# KiCad board EC_Rev2.kicad_pcb (continued)
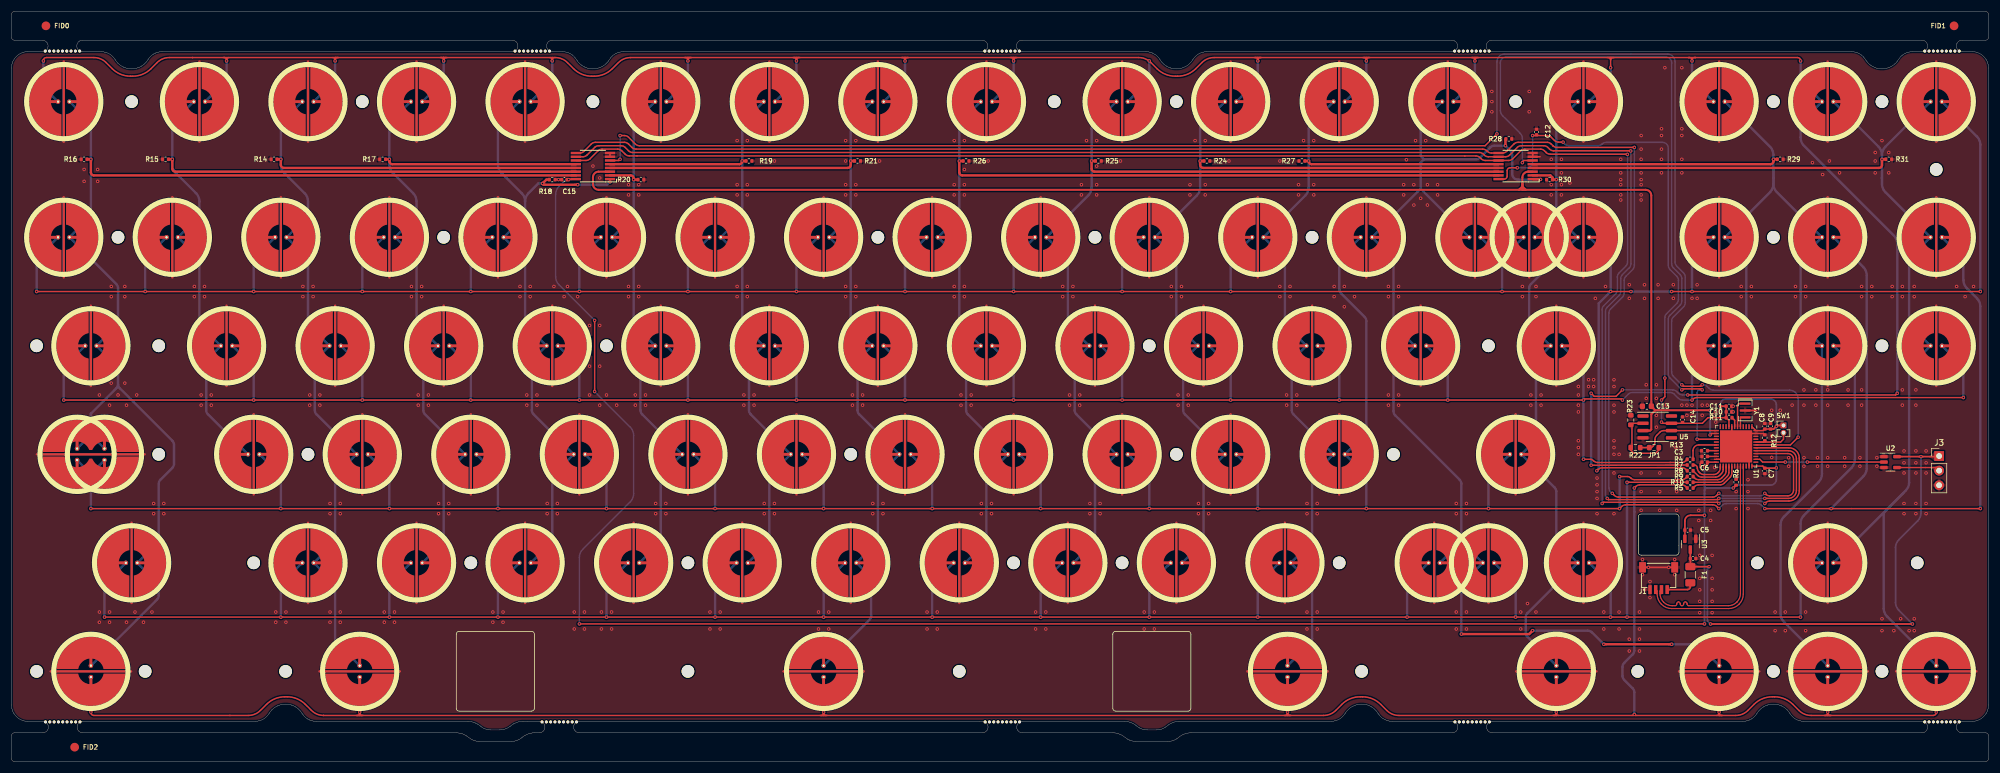
[diagram p0: board, top side]
## Routing (per net, layer and track width the routed paths; a pad name or vN(x,y) marks a point on that pad's centre or on a via; arc(x,y) is an arc through that point) (continued)
COL13: length 128.3
  Top w0.419: v1(268.97,101.34) R30.1 268.3,101.72 267.94,102.08 U6.2
  Bottom w0.419: 268.98,95.44 268.98,110.79 arc(269.05,111.17) 269.27,111.49 SW_EC14.1 ; 268.98,95.44 arc(268.9,95.06) 268.68,94.73 SW_EC86.1 ; 268.98,95.44 arc(269.05,95.06) 269.27,94.73 SW_EC87.2 264.54,83.14 arc(264.33,82.82) 264.25,82.44 264.25,76.54 arc(264.33,76.16) 264.54,75.83 SW_EC48.1 265.72,70.15 arc(265.51,69.82) 265.43,69.44 265.43,56.46 arc(265.36,56.08) 265.14,55.75 SW_EC64.1 268.68,47.71 arc(268.9,47.38) 268.98,47 268.98,38.74 arc(269.05,38.36) 269.27,38.03 SW_EC89.1 263.95,25.85 arc(263.74,25.53) 263.66,25.15 263.66,22.43 arc(263.74,22.05) 263.95,21.72 SW_EC82.1
COL14: length 194.5
  Top w0.419: R29.1 v1(306.78,104.88) 306.78,104.53 arc(306.63,104.17) 306.28,104.03 U6.5
  Bottom w0.419: 306.78,103.2 306.78,101.64 306.78,100.58 ; 306.78,103.2 306.78,100.58 ; 306.78,103.2 306.78,105.65 arc(306.62,106.41) 306.19,107.06 SW_EC15.1 ; SW_EC84.1 308.6,24.33 arc(308.17,24.97) 308.01,25.74 308.01,41.21 arc(308.17,41.98) 308.6,42.63 314.64,48.67 arc(315.07,49.31) 315.23,50.08 SW_EC50.1 312.09,75.54 arc(311.65,76.19) 311.5,76.95 311.5,86.75 arc(311.65,87.51) 312.09,88.16 SW_EC33.1 307.36,99.16 arc(306.93,99.81) 306.78,100.58 ; 306.78,100.58 arc(306.62,99.81) 306.19,99.16 SW_EC32.1 301.46,88.16 arc(301.9,87.51) 302.05,86.75 302.05,76.95 arc(301.9,76.19) 301.46,75.54 SW_EC49.1
COL15: length 207.5
  Top w0.419: U6.4 325.18,103.38 arc(325.53,103.53) 325.68,103.88 v1(325.68,104.88) R31.1
  Bottom w0.419: SW_EC16.1 325.09,107.06 arc(325.52,106.41) 325.68,105.65 ; 325.68,105.65 325.68,101.64 325.68,100.58 arc(325.83,99.81) 326.26,99.16 SW_EC34.1 330.99,88.16 arc(330.55,87.51) 330.4,86.75 330.4,76.95 arc(330.55,76.19) 330.99,75.54 SW_EC51.1 330.99,69.26 arc(330.55,68.61) 330.4,67.85 330.4,48.6 arc(330.25,47.84) 329.81,47.19 329.38,46.75 ; 325.68,105.65 arc(325.83,106.41) 326.26,107.06 SW_EC17.1 ; SW_EC85.1 326.56,25.27 arc(326.12,25.92) 325.97,26.68 325.97,42.93 arc(326.05,43.31) 326.26,43.64 329.38,46.75 ; 329.38,46.75 SW_EC77.1
D+: length 41
  Top w0.2: J1.3 286.53,29.7 286.53,29.17 arc(286.72,28.21) 287.26,27.4 287.3,27.37 arc(288.11,26.82) 289.06,26.63 298.99,26.63 arc(299.95,26.82) 300.76,27.37 300.8,27.4 arc(301.34,28.21) 301.53,29.17 U1.33
D-: length 41
  Top w0.2: J1.2 287.03,29.69 287.03,29.25 arc(287.19,28.45) 287.64,27.77 287.66,27.75 arc(288.34,27.29) 289.15,27.13 289.65,27.13 arc(289.86,27.22) 289.95,27.43 289.95,27.5 arc(290.04,27.71) 290.25,27.8 arc(290.46,27.71) 290.55,27.5 290.55,27.43 arc(290.64,27.22) 290.85,27.13 arc(291.06,27.22) 291.15,27.43 291.15,27.5 arc(291.24,27.71) 291.45,27.8 arc(291.66,27.71) 291.75,27.5 291.75,27.43 arc(291.84,27.22) 292.05,27.13 298.91,27.13 arc(299.71,27.29) 300.39,27.75 300.41,27.77 arc(300.87,28.45) 301.03,29.25 U1.32
LED_3V3: length 22.5
  Top w0.25: U2.2 v1(312.68,52.15) ; U1.38 304.41,52.63 304.9,52.15 v1(308.84,52.15)
  Bottom w0.25: v1(312.68,52.15) v1(308.84,52.15)
LED_5V: length 7.6
  Top w0.25: J3.2 335.09,51.2 U2.4
NRST: length 1.8
  Top w0.25: R11.2 300.03,59.42 U1.7
ROW0: length 630
  Top w0.25: v1(311.5,122.01) 311.5,122.1 arc(311.35,122.46) 311,122.6 293.19,122.6 ; 36.86,122.6 56.94,122.6 ; 154.98,122.6 156.17,122.6 ; 174.47,122.6 196.27,122.6 arc(197.42,122.37) 198.39,121.72 199.44,120.67 arc(200.9,119.7) 202.62,119.35 203.03,119.35 arc(204.75,119.7) 206.21,120.67 207.26,121.72 arc(208.24,122.37) 209.38,122.6 217,122.6 ; 174.47,122.6 v1(174.47,122.01) 174.48,122.2 ; 174.47,122.6 155.57,122.6 ; 155.57,122.6 136.67,122.6 ; 155.57,122.6 v1(155.57,122.01) 155.58,122.2 ; 136.67,122.6 v1(136.67,122.01) 136.68,122.2 ; 136.67,122.6 117.77,122.6 ; 217,122.2 v1(217,122.01) 217,122.6 ; 217,122.2 arc(216.88,122.49) 216.6,122.6 ; 217,122.2 arc(217.12,122.49) 217.4,122.6 ; 293.19,122.6 293,122.6 arc(292.72,122.49) 292.6,122.2 ; 293.19,122.6 292.01,122.6 ; 75.25,122.6 56.35,122.6 v1(56.35,122.01) 56.35,122.2 ; 75.25,122.6 75.25,122.6 v1(75.25,122.01) ; 75.25,122.6 94.15,122.6 ; v1(94.15,122.01) 94.15,122.6 ; 94.15,122.6 94.68,122.6 arc(95.83,122.37) 96.8,121.72 97.85,120.67 arc(99.31,119.7) 101.03,119.35 101.44,119.35 arc(103.16,119.7) 104.62,120.67 105.67,121.72 arc(106.65,122.37) 107.8,122.6 117.77,122.6 ; 117.18,122.6 118.37,122.6 ; v1(278.43,120.83) 278.43,122.6 ; 278.43,122.6 292.01,122.6 ; 278.43,122.6 254.8,122.6 ; 277.83,122.6 279.02,122.6 ; v1(328.33,64.13) 328.04,63.84 v1(291.86,63.84) ; 254.21,122.6 255.39,122.6 ; 254.8,122.2 v1(254.8,122.01) 254.8,122.6 ; 254.8,122.2 arc(254.92,122.49) 255.2,122.6 ; 254.8,122.2 arc(254.68,122.49) 254.4,122.6 ; 117.77,122.6 v1(117.77,122.01) 117.78,122.2 ; 75.25,122.2 75.25,122.01 ; 75.25,122.2 arc(75.13,122.49) 74.85,122.6 ; 75.25,122.2 arc(75.37,122.49) 75.65,122.6 ; 235.31,122.6 236.49,122.6 ; 235.9,122.2 v1(235.9,122.01) 235.9,122.6 ; 235.9,122.2 arc(235.78,122.49) 235.5,122.6 ; 235.9,122.2 arc(236.02,122.49) 236.3,122.6 ; 117.78,122.2 arc(117.89,122.49) 118.18,122.6 ; 117.78,122.2 arc(117.66,122.49) 117.38,122.6 ; v1(275.04,64.13) 275.57,63.6 279.37,63.6 v1(280.49,64.72) ; v1(5.56,122.01) 5.56,122.1 arc(5.7,122.46) 6.06,122.6 14.35,122.6 arc(15.5,122.37) 16.48,121.72 17.53,120.67 arc(18.99,119.7) 20.71,119.35 21.12,119.35 arc(22.84,119.7) 24.3,120.67 25.35,121.72 arc(26.32,122.37) 27.47,122.6 31.54,122.6 37.15,122.6 ; 254.8,122.6 235.9,122.6 ; 136.08,122.6 137.27,122.6 ; 216.41,122.6 217.59,122.6 ; R7.1 v1(275.04,51.6) ; 235.9,122.6 217,122.6 ; 37.45,122.2 37.45,122.01 ; 37.45,122.2 arc(37.33,122.49) 37.05,122.6 ; 37.45,122.2 arc(37.57,122.49) 37.85,122.6 ; 56.35,122.2 arc(56.23,122.49) 55.95,122.6 ; 56.35,122.2 arc(56.47,122.49) 56.75,122.6 ; 292.01,122.6 292.2,122.6 arc(292.48,122.49) 292.6,122.2 ; 292.6,122.2 v1(292.6,122.01) 292.6,122.2 ; 74.66,122.6 75.84,122.6 ; 94.15,122.2 94.15,122.01 ; 94.15,122.2 arc(94.27,122.49) 94.55,122.6 ; 94.15,122.2 arc(94.03,122.49) 93.75,122.6 ; 155.58,122.2 arc(155.69,122.49) 155.98,122.6 ; 155.58,122.2 arc(155.46,122.49) 155.18,122.6 ; v1(37.45,122.01) 37.45,122.31 ; 173.88,122.6 175.07,122.6 ; 174.48,122.2 arc(174.59,122.49) 174.88,122.6 ; 174.48,122.2 arc(174.36,122.49) 174.08,122.6 ; 136.68,122.2 arc(136.56,122.49) 136.28,122.6 ; 136.68,122.2 arc(136.79,122.49) 137.08,122.6 ; 278.83,122.6 arc(278.54,122.49) 278.43,122.2 arc(278.31,122.49) 278.03,122.6
  Bottom w0.25: v1(280.49,64.72) 280.49,64.72 289.23,64.72 arc(289.61,64.65) 289.94,64.43 290.24,64.13 arc(290.56,63.91) 290.95,63.84 v1(291.86,63.84)
  Bottom w0.419: v1(292.6,122.01) 292.6,119.06 arc(292.68,118.68) 292.89,118.36 SW_EC15.2 ; v1(275.04,64.13) v1(275.04,51.6) ; v1(174.47,122.01) 174.47,119.06 arc(174.4,118.68) 174.18,118.36 SW_EC9.2 ; SW_EC13.2 254.51,118.36 arc(254.72,118.68) 254.8,119.06 v1(254.8,122.01) ; v1(37.45,122.01) 37.45,119.06 arc(37.37,118.68) 37.16,118.36 SW_EC2.2 ; SW_EC14.2 278.13,118.36 arc(278.35,118.68) 278.43,119.06 v1(278.43,120.83) ; v1(155.57,122.01) 155.57,119.06 arc(155.5,118.68) 155.28,118.36 SW_EC8.2 ; SW_EC6.2 117.48,118.36 arc(117.7,118.68) 117.77,119.06 v1(117.77,122.01) ; v1(94.15,122.01) 94.15,122.01 94.15,119.06 arc(94.07,118.68) 93.86,118.36 SW_EC5.2 ; SW_EC10.2 197.81,118.36 arc(198.02,118.68) 198.1,119.06 v1(198.1,122.01) ; v1(75.25,122.01) 75.25,119.06 arc(75.17,118.68) 74.96,118.36 SW_EC4.2 ; v1(56.35,122.01) 56.35,119.06 arc(56.27,118.68) 56.06,118.36 SW_EC3.2 ; v1(217,122.01) 217,119.06 arc(216.92,118.68) 216.71,118.36 SW_EC11.2 ; SW_EC12.2 235.61,118.36 arc(235.82,118.68) 235.9,119.06 v1(235.9,122.01) ; v1(5.56,122.01) 5.56,117.88 arc(5.63,117.5) 5.85,117.18 SW_EC1.2 ; v1(311.5,122.01) 311.5,119.06 arc(311.58,118.68) 311.79,118.36 SW_EC16.2 311.79,111.49 arc(311.58,111.17) 311.5,110.79 311.5,108.67 arc(311.65,107.9) 312.09,107.25 327.75,91.59 arc(328.18,90.94) 328.33,90.18 v1(328.33,64.13) ; v1(136.67,122.01) 136.67,119.06 arc(136.6,118.68) 136.38,118.36 SW_EC7.2
ROW1: length 592.3
  Top w0.25: v1(276.03,50.63) 276.25,50.86 arc(276.58,51.08) 276.96,51.15 290.23,51.18 arc(290.23,51.18) 290.23,51.18 290.81,51.18 arc(291.19,51.11) 291.51,50.89 R8.1 ; v1(281.97,81.85) v1(278.43,81.85) v1(259.53,81.85) v1(212.28,81.85) v1(193.38,81.85) v1(174.47,81.85) v1(155.57,81.85) v1(136.68,81.85) v1(117.78,81.85) v1(98.88,81.85) v1(79.97,81.85) v1(61.08,81.85) v1(42.17,81.85) v1(23.27,81.85) v1(4.38,81.85) ; v1(342.8,81.85) v1(292.6,81.85) v1(289.06,81.85)
  Bottom w0.419: v1(61.08,81.85) 61.08,87.16 arc(61.15,87.54) 61.37,87.87 SW_EC21.2 ; SW_EC17.2 342.22,108.83 arc(342.65,108.18) 342.8,107.42 v1(342.8,81.85) ; SW_EC28.2 193.67,87.87 arc(193.45,87.54) 193.38,87.16 v1(193.38,81.85) ; SW_EC24.2 118.07,87.87 arc(117.85,87.54) 117.78,87.16 v1(117.78,81.85) ; SW_EC27.2 174.77,87.87 arc(174.55,87.54) 174.47,87.16 v1(174.47,81.85) ; 259.53,87.16 v1(259.53,81.85) ; 259.53,87.16 arc(259.6,87.54) 259.82,87.87 SW_EC86.2 ; 259.53,87.16 arc(259.45,87.54) 259.23,87.87 SW_EC31.2 ; v1(281.97,81.85) v1(289.06,81.85) ; v1(23.27,81.85) 23.27,87.16 arc(23.35,87.54) 23.57,87.87 SW_EC19.2 ; v1(136.68,81.85) 136.68,87.16 arc(136.75,87.54) 136.97,87.87 SW_EC25.2 ; v1(276.03,50.63) 276.36,50.96 276.36,79.78 v1(278.43,81.85) 278.43,87.16 arc(278.35,87.54) 278.13,87.87 SW_EC87.1 ; v1(79.97,81.85) 79.97,87.16 arc(80.05,87.54) 80.27,87.87 SW_EC22.2 ; SW_EC20.2 42.47,87.87 arc(42.25,87.54) 42.17,87.16 v1(42.17,81.85) ; v1(4.38,81.85) 4.38,87.16 arc(4.45,87.54) 4.67,87.87 SW_EC18.2 ; SW_EC29.2 212.57,87.87 arc(212.35,87.54) 212.28,87.16 v1(212.28,81.85) ; v1(155.57,81.85) 155.57,87.16 arc(155.65,87.54) 155.87,87.87 SW_EC26.2 ; v1(292.6,81.85) 292.6,86.75 arc(292.75,87.51) 293.19,88.16 SW_EC32.2 ; SW_EC23.2 99.17,87.87 arc(98.95,87.54) 98.88,87.16 v1(98.88,81.85)
ROW2: length 535.4
  Top w0.25: R4.2 291.51,52.38 arc(291.19,52.16) 290.8,52.08 288.78,52.08 288.78,52.08 276.17,52.08 arc(275.78,52.15) 275.46,52.37 275.43,52.4 arc(275.17,52.57) 274.86,52.63 v1(273.7,52.63) ; v1(280.49,62.95) 280.29,63.15 273.9,63.15 v1(273.7,62.95) v1(250.08,62.95) v1(231.18,62.95) v1(212.28,62.95) v1(193.38,62.95) v1(174.47,62.95) v1(155.57,62.95) v1(136.68,62.95) v1(117.78,62.95) v1(98.88,62.95) v1(79.97,62.95) v1(61.08,62.95) v1(42.17,62.95) v1(9.1,62.95) ; v1(339.85,63.39) 293.45,63.39 arc(293.07,63.31) 292.74,63.09 v1(292.6,62.95)
  Bottom w0.25: v1(280.49,62.95) 281.52,63.98 arc(281.85,64.2) 282.23,64.27 288.8,64.27 arc(289.18,64.2) 289.5,63.98 290.24,63.24 arc(290.56,63.03) 290.95,62.95 v1(292.6,62.95)
  Bottom w0.419: SW_EC46.2 230.88,68.97 arc(231.1,68.64) 231.18,68.26 v1(231.18,62.95) ; v1(273.7,52.63) v1(273.7,62.95) 273.7,68.26 arc(273.62,68.64) 273.41,68.97 SW_EC48.2 ; SW_EC47.2 249.78,68.97 arc(250,68.64) 250.08,68.26 v1(250.08,62.95) ; v1(155.57,62.95) 155.57,68.26 arc(155.5,68.64) 155.28,68.97 SW_EC42.2 ; v1(42.17,62.95) 42.17,68.26 arc(42.1,68.64) 41.88,68.97 SW_EC36.2 ; v1(79.97,62.95) 79.97,68.26 arc(79.9,68.64) 79.68,68.97 SW_EC38.2 ; SW_EC41.2 136.38,68.97 arc(136.6,68.64) 136.68,68.26 v1(136.68,62.95) ; v1(292.6,62.95) 292.6,62.95 292.6,67.85 arc(292.75,68.61) 293.19,69.26 SW_EC49.2 ; SW_EC35.2 9.39,68.97 arc(9.18,68.64) 9.1,68.26 v1(9.1,62.95) ; v1(212.28,62.95) 212.28,68.26 arc(212.2,68.64) 211.98,68.97 SW_EC45.2 ; SW_EC37.2 60.78,68.97 arc(61,68.64) 61.08,68.26 v1(61.08,62.95) ; v1(174.47,62.95) 174.47,68.26 arc(174.4,68.64) 174.18,68.97 SW_EC43.2 ; v1(117.78,62.95) 117.78,68.26 arc(117.7,68.64) 117.48,68.97 SW_EC40.2 ; SW_EC44.2 193.08,68.97 arc(193.3,68.64) 193.38,68.26 v1(193.38,62.95) ; v1(339.85,63.39) 339.85,67.85 arc(339.7,68.61) 339.26,69.26 SW_EC51.2 ; SW_EC39.2 98.58,68.97 arc(98.8,68.64) 98.88,68.26 v1(98.88,62.95)
ROW3: length 636.9
  Top w0.25: 280.09,44.05 v1(257.16,44.05) v1(235.9,44.05) v1(217,44.05) v1(198.1,44.05) v1(179.2,44.05) v1(160.3,44.05) v1(141.4,44.05) v1(122.5,44.05) v1(103.6,44.05) v1(84.7,44.05) v1(65.8,44.05) v1(46.9,44.05) v1(13.83,44.05) ; v1(297.28,44.05) 296.91,44.41 arc(296.59,44.63) 296.21,44.71 281.06,44.71 arc(280.68,44.63) 280.35,44.41 v1(279.99,44.05) ; v1(279.99,49.63) 281.35,49.63 arc(281.65,49.57) 281.91,49.4 281.94,49.38 arc(282.26,49.16) 282.64,49.08 290.8,49.08 arc(291.19,49.16) 291.51,49.38 R9.2 ; v1(342.8,44.05) 320.36,44.05 v1(316.82,44.05) v1(305.28,44.05)
  Bottom w0.25: v1(305.28,44.05) 304.7,44.63 arc(304.37,44.85) 303.99,44.92 298.56,44.92 arc(298.18,44.85) 297.86,44.63 v1(297.28,44.05)
  Bottom w0.419: SW_EC59.2 160.01,50.07 arc(160.22,49.74) 160.3,49.36 v1(160.3,44.05) ; v1(84.7,44.05) 84.7,49.36 arc(84.62,49.74) 84.41,50.07 SW_EC55.2 ; v1(122.5,44.05) 122.5,49.36 arc(122.42,49.74) 122.21,50.07 SW_EC57.2 ; 13.83,49.69 v1(13.83,44.05) ; 13.83,49.69 arc(13.9,50.07) 14.12,50.39 16.19,52.46 ; 13.83,49.69 arc(13.75,50.07) 13.53,50.39 SW_EC52.2 ; v1(217,44.05) 217,49.36 arc(216.92,49.74) 216.71,50.07 SW_EC62.2 ; v1(279.99,49.63) v1(279.99,44.05) ; SW_EC54.2 65.51,50.07 arc(65.72,49.74) 65.8,49.36 v1(65.8,44.05) ; SW_EC53.2 46.61,50.07 arc(46.82,49.74) 46.9,49.36 v1(46.9,44.05) ; SW_EC56.2 103.31,50.07 arc(103.52,49.74) 103.6,49.36 v1(103.6,44.05) ; v1(141.4,44.05) 141.4,49.36 arc(141.32,49.74) 141.11,50.07 SW_EC58.2 ; v1(342.8,44.05) 342.8,79.25 arc(342.65,80.01) 342.22,80.66 340.44,82.45 arc(340,83.09) 339.85,83.86 339.85,86.75 arc(339.7,87.51) 339.26,88.16 SW_EC34.2 ; v1(179.2,44.05) 179.2,49.36 arc(179.12,49.74) 178.91,50.07 SW_EC60.2 ; SW_EC64.2 257.46,50.07 arc(257.24,49.74) 257.16,49.36 v1(257.16,44.05) ; v1(316.82,44.05) 322.43,49.67 arc(322.87,50.31) 323.02,51.08 323.02,84.68 arc(322.87,85.44) 322.43,86.09 SW_EC33.2 ; SW_EC61.2 197.81,50.07 arc(198.02,49.74) 198.1,49.36 v1(198.1,44.05) ; SW_EC30.2 231.47,87.87 arc(231.25,87.54) 231.18,87.16 231.18,82.26 arc(231.25,81.88) 231.47,81.56 235.61,77.42 arc(235.82,77.09) 235.9,76.71 235.9,57.64 arc(235.82,57.26) 235.61,56.93 SW_EC63.2 235.61,50.07 arc(235.82,49.74) 235.9,49.36 v1(235.9,44.05)
ROW4: length 537.9
  Top w0.25: v1(311.5,25.15) v1(278.43,25.15) v1(261.89,25.15) v1(242.99,25.15) v1(217,25.15) v1(198.1,25.15) v1(179.2,25.15) v1(160.3,25.15) v1(141.4,25.15) v1(122.5,25.15) v1(103.6,25.15) v1(84.7,25.15) v1(65.8,25.15) v1(46.9,25.15) v1(16.19,25.15) ; R10.1 v1(281.29,48.63)
  Bottom w0.419: v1(103.6,25.15) 103.6,30.46 arc(103.68,30.84) 103.89,31.17 SW_EC69.2 ; v1(46.9,25.15) 46.9,30.46 arc(46.98,30.84) 47.19,31.17 SW_EC66.2 ; SW_EC50.2 320.36,69.26 arc(320.8,68.61) 320.95,67.85 320.95,52.56 arc(320.8,51.79) 320.36,51.14 312.09,42.86 arc(311.65,42.22) 311.5,41.45 311.5,39.15 arc(311.65,38.39) 312.09,37.74 SW_EC77.2 312.09,31.46 arc(311.65,30.81) 311.5,30.05 v1(311.5,25.15) ; SW_EC71.2 141.69,31.17 arc(141.48,30.84) 141.4,30.46 v1(141.4,25.15) ; SW_EC74.2 198.39,31.17 arc(198.18,30.84) 198.1,30.46 v1(198.1,25.15) ; SW_EC68.2 84.99,31.17 arc(84.78,30.84) 84.7,30.46 v1(84.7,25.15) ; SW_EC73.2 179.49,31.17 arc(179.28,30.84) 179.2,30.46 v1(179.2,25.15) ; v1(278.43,25.15) 278.43,30.46 arc(278.35,30.84) 278.13,31.17 SW_EC89.2 ; SW_EC72.2 160.59,31.17 arc(160.38,30.84) 160.3,30.46 v1(160.3,25.15) ; v1(261.89,25.15) 261.89,30.46 arc(261.81,30.84) 261.59,31.17 SW_EC76.2 ; v1(281.29,25.15) v1(281.29,48.63) ; v1(217,25.15) 217,30.46 arc(217.08,30.84) 217.29,31.17 SW_EC75.2 ; v1(242.99,25.15) 242.99,30.46 arc(243.06,30.84) 243.28,31.17 SW_EC88.2 ; v1(65.8,25.15) 65.8,30.46 arc(65.88,30.84) 66.09,31.17 SW_EC67.2 ; v1(122.5,25.15) 122.5,30.46 arc(122.58,30.84) 122.79,31.17 SW_EC70.2 ; SW_EC65.2 16.48,31.17 arc(16.26,30.84) 16.19,30.46 v1(16.19,25.15)
ROW5: length 445.3
  Top w0.25: 297.92,8.02 282.74,8.02 v1(282.56,8.2) 282.38,8.02 268.38,8.02 ; 297.33,8.02 297.33,8.02 ; 297.33,8.02 300.22,8.02 arc(301.37,8.25) 302.34,8.9 303.39,9.95 arc(304.85,10.93) 306.57,11.27 306.98,11.27 arc(308.7,10.93) 310.16,9.95 311.21,8.9 arc(312.19,8.25) 313.33,8.02 316.23,8.02 334.63,8.02 arc(334.98,8.17) 335.13,8.52 v1(335.13,8.61) ; 297.33,8.02 297.33,8.02 ; 297.33,8.02 v1(297.33,8.61) 297.32,8.42 arc(297.44,8.14) 297.72,8.02 ; 316.82,8.02 315.63,8.02 ; 141.4,8.02 v1(141.4,8.61) 141.4,8.42 arc(141.52,8.14) 141.8,8.02 ; 141.4,8.02 60.62,8.02 ; 141.4,8.02 222.18,8.02 ; v1(316.23,8.61) 316.22,8.42 arc(316.34,8.14) 316.62,8.02 ; 222.18,8.02 228.46,8.02 arc(229.6,8.25) 230.58,8.9 231.63,9.95 arc(233.09,10.93) 234.81,11.27 235.22,11.27 arc(236.94,10.93) 238.4,9.95 239.45,8.9 arc(240.42,8.25) 241.57,8.02 268.98,8.02 v1(268.98,8.61) 268.97,8.42 arc(269.09,8.14) 269.37,8.02 ; 222.18,8.02 v1(222.18,8.61) 222.17,8.42 arc(222.29,8.14) 222.57,8.02 ; v1(13.83,8.61) 13.82,8.52 arc(13.97,8.17) 14.32,8.02 38.04,8.02 41.23,8.02 arc(42.38,8.25) 43.35,8.9 44.4,9.95 arc(45.86,10.93) 47.58,11.27 47.99,11.27 arc(49.71,10.93) 51.17,9.95 52.22,8.9 arc(53.2,8.25) 54.34,8.02 60.62,8.02 ; 60.62,8.02 v1(60.62,8.61) 60.62,8.42 arc(60.74,8.14) 61.02,8.02 ; 316.22,8.5 316.23,8.7 ; 141.99,8.02 140.81,8.02 ; R5.2 291.51,47.89 arc(291.19,48.11) 290.8,48.18 283.52,48.18 arc(283.14,48.11) 282.82,47.89 v1(282.56,47.63) ; 61.22,8.02 60.03,8.02 ; 222.77,8.02 221.58,8.02 ; 315.82,8.02 arc(316.11,8.14) 316.22,8.42 ; 141,8.02 arc(141.28,8.14) 141.4,8.42 ; 221.77,8.02 arc(222.06,8.14) 222.17,8.42 ; 296.92,8.02 arc(297.21,8.14) 297.32,8.42 ; 268.57,8.02 arc(268.86,8.14) 268.97,8.42 ; 60.22,8.02 arc(60.51,8.14) 60.62,8.42
  Bottom w0.419: v1(60.62,8.61) SW_EC79.2 ; SW_EC82.2 v1(268.98,8.61) ; SW_EC85.2 v1(335.12,8.61) ; v1(282.56,47.63) 282.56,43.5 282.56,19.36 arc(282.48,18.98) 282.27,18.66 280.79,17.17 arc(280.57,16.85) 280.49,16.47 280.49,14.93 arc(280.57,14.55) 280.79,14.23 282.27,12.74 arc(282.48,12.42) 282.56,12.04 v1(282.56,8.2) ; SW_EC81.2 v1(222.18,8.61) ; SW_EC84.2 v1(316.23,8.61) ; SW_EC78.2 v1(13.83,8.61) ; SW_EC83.2 v1(297.33,8.61) ; SW_EC80.2 v1(141.4,8.61)
XTAL0: length 1.6
  Top w0.25: U1.5 301.03,59.88
XTAL1: length 5.2
  Top w0.25: Y1.1 300.73,62.33 300.53,62.13 U1.6
Net-(JP1-B): length 12
  Top w0.25: R22.2 281.92,54.24 282.5,53.67 286.25,53.67 286.82,54.24 JP1.2 ; 282.15,54.89 282.15,58.64 282.41,58.9 U5.2
Net-(U1-PA8): length 9.2
  Top w0.25: U1.29 299.53,50.21 arc(299.45,49.82) 299.24,49.5 298.21,48.48 arc(297.89,48.26) 297.51,48.18 293.75,48.18 arc(293.37,48.11) 293.05,47.89 R5.1
Net-(U1-PA10): length 2.4
  Top w0.25: U1.31 300.53,49.39 R6.1
Net-(U1-PB0): length 6.1
  Top w0.25: 292.78,52.64 292.78,54.13 arc(293.07,54.84) 293.78,55.13 U1.18
Net-(U1-PB12): length 6.6
  Top w0.25: R7.2 293.03,51.63 arc(293.38,51.49) 293.53,51.13 293.53,51.12 arc(293.6,50.74) 293.82,50.41 293.96,50.28 arc(294.28,50.06) 294.67,49.98 296.39,49.98 arc(296.77,50.06) 297.1,50.28 297.24,50.41 arc(297.45,50.74) 297.53,51.12 U1.25
Net-(U1-PB13): length 6.9
  Top w0.25: R8.2 293.6,49.83 arc(293.92,49.61) 294.3,49.53 296.69,49.53 arc(297.07,49.61) 297.4,49.83 297.74,50.16 arc(297.95,50.49) 298.03,50.87 U1.26
Net-(U1-PB14): length 7.6
  Top w0.25: U1.27 298.53,50.56 arc(298.45,50.18) 298.24,49.86 297.76,49.38 arc(297.43,49.16) 297.05,49.08 293.75,49.08 arc(293.37,49.16) 293.05,49.38 R9.1
Net-(U1-PB15): length 8.2
  Top w0.25: R10.2 297.3,48.63 arc(297.68,48.71) 298.01,48.93 298.74,49.66 arc(298.95,49.98) 299.03,50.36 U1.28
Net-(U1-VCAP1): length 1.6
  Top w0.25: U1.22 C3.1

## Copper pours and planes (outline as drawn; the poured copper is in the pictures)
GND on Top, Bottom: -13.93,137.96 346.94,137.96 346.94,-0.84 -13.93,-0.84

Small or netless copper shapes (teardrops, artwork), in the pictures only: 377 on Top, 425 on Bottom

## Text on the board
B.Silkscreen: C80-3000HCALLA | J33 | EC PCB
